# KiCad board hack_pad.kicad_pcb (continued)
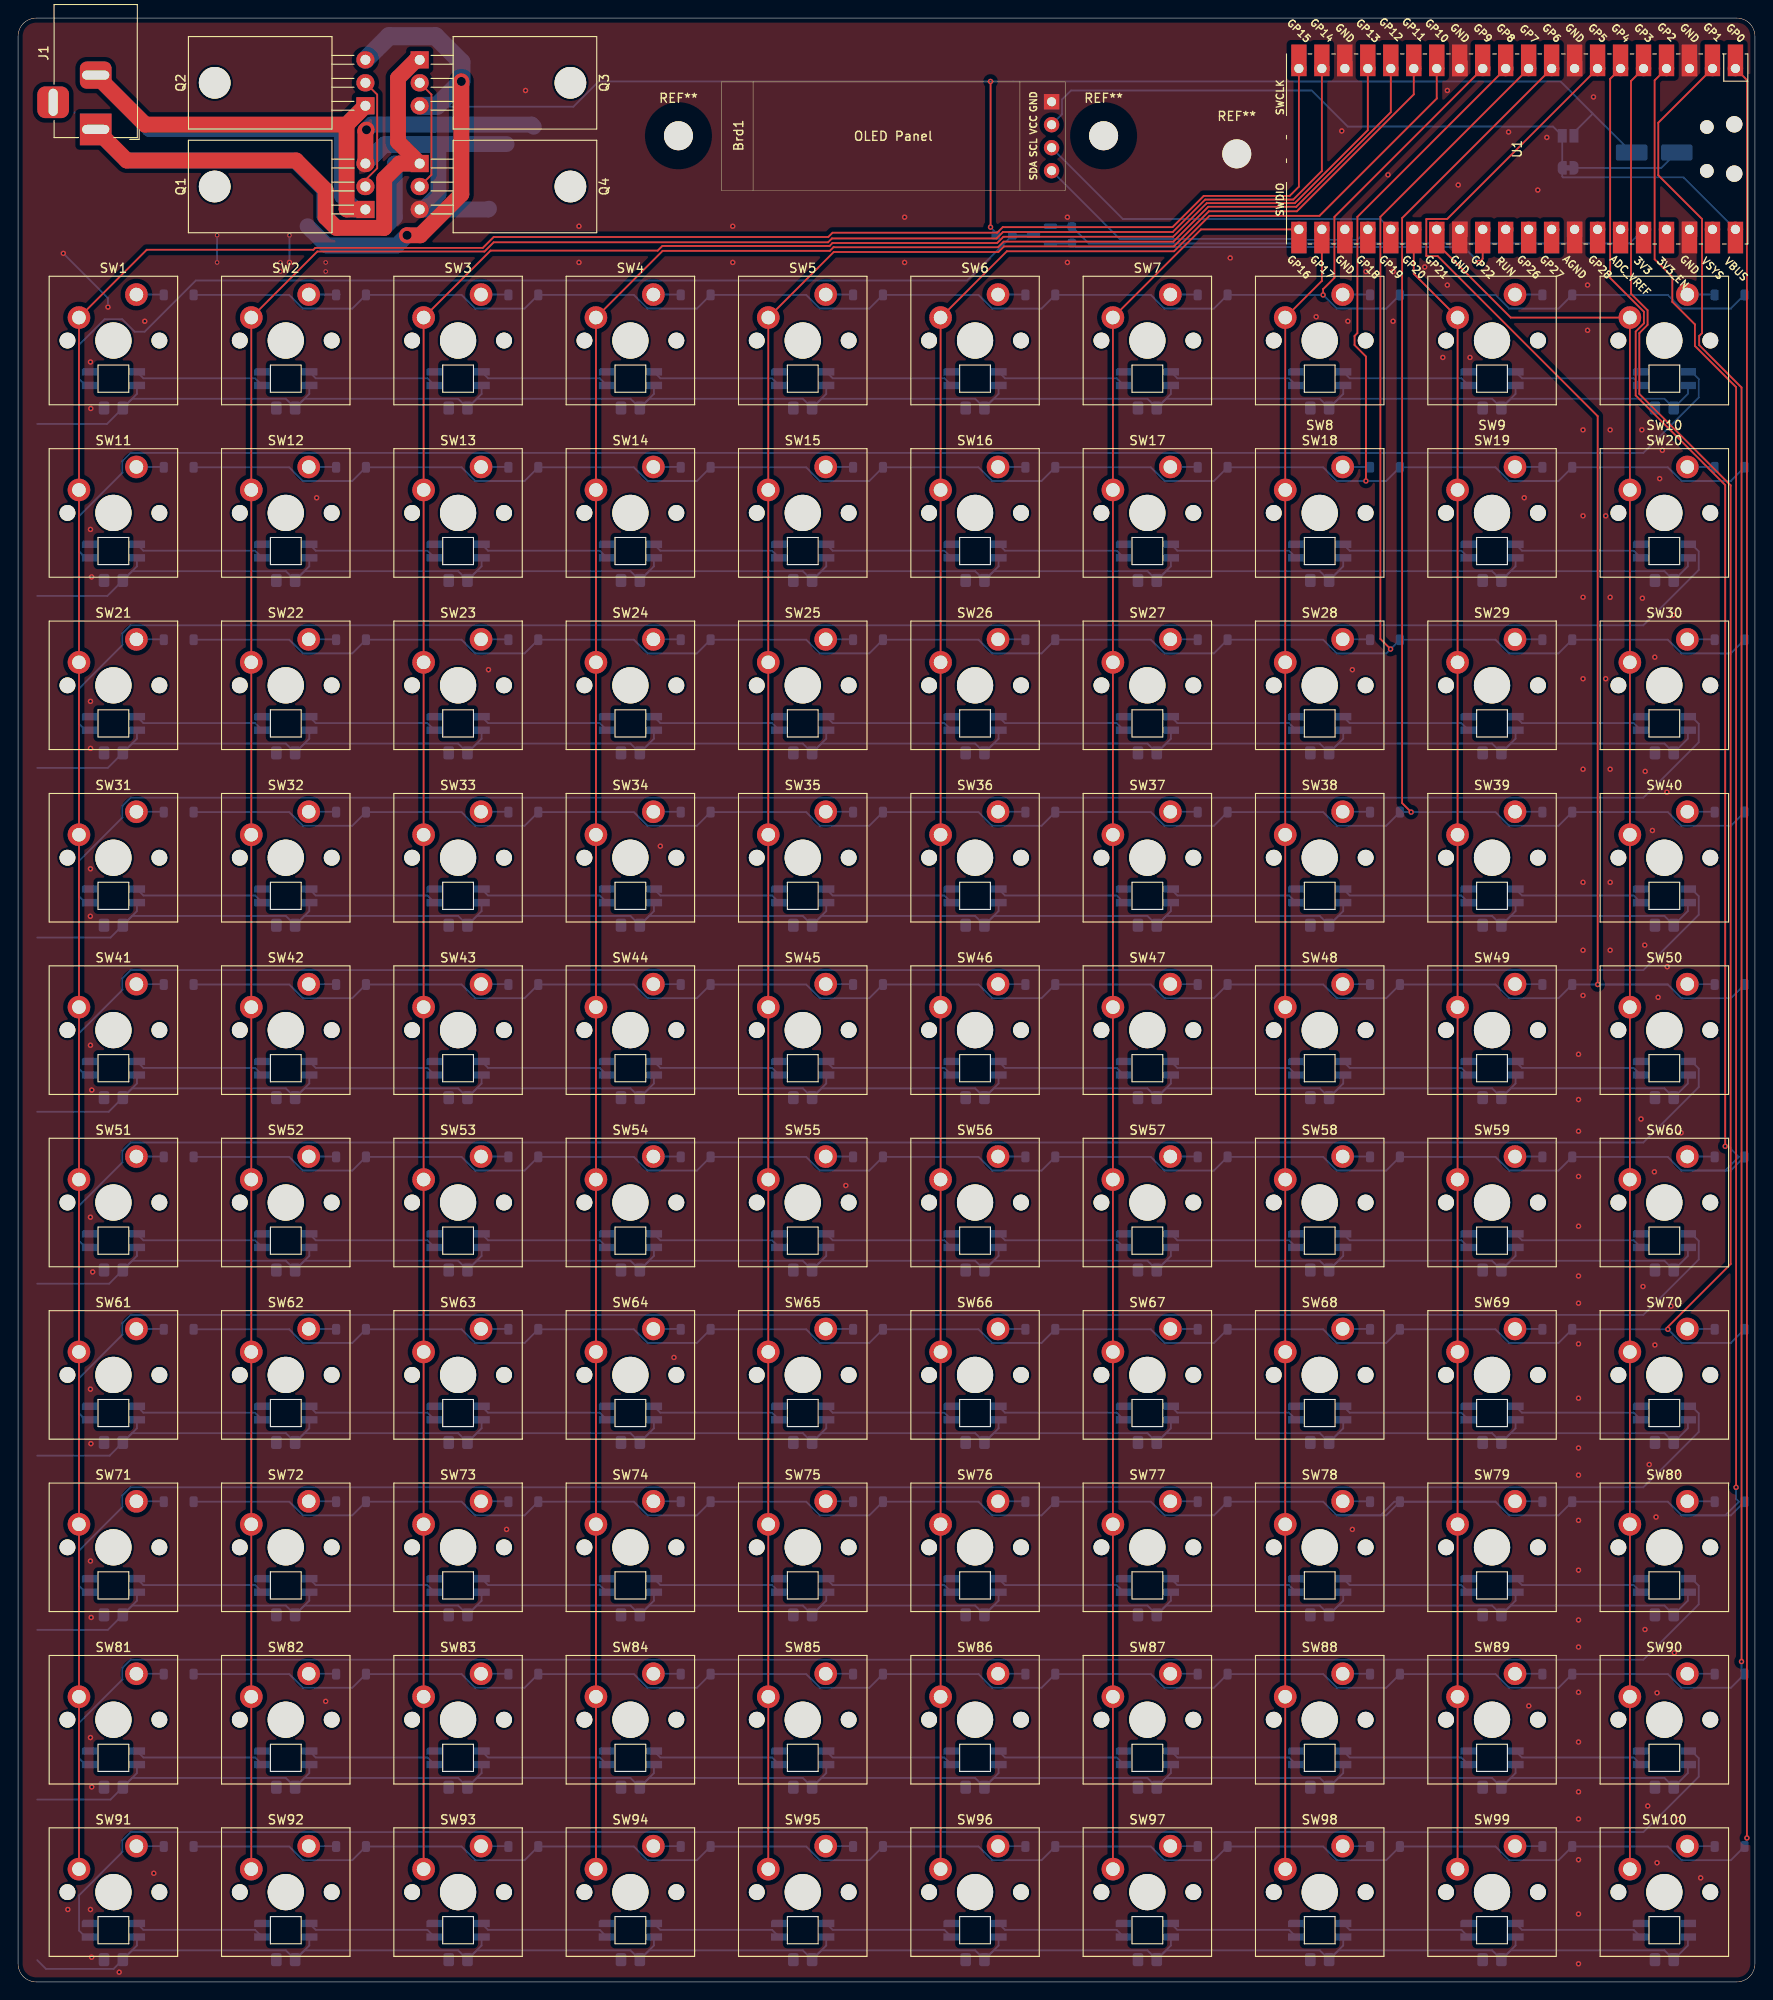
[diagram p0: board, top side]
## Routing (per net, layer and track width the routed paths; a pad name or vN(x,y) marks a point on that pad's centre or on a via; arc(x,y) is an arc through that point) (continued)
LED_HV: length 117
  Bottom w0.2: D101.3 7.45,176.41 6.74,177.12 6.74,180.89 9.57,183.72 11.51,183.72 12.89,182.34 13.99,182.34 19.64,188 104.91,188 R2.2 112.2,193 Q5.3
LED_LV: length 52.1
  Top w0.2: U1.29 161.91,190.41 v1(161.5,190)
  Bottom w0.2: v1(161.5,190) 159.8,191.7 116.94,191.7 R1.2 116.46,192.1 Q5.2
LV: length 67
  Bottom w0.2: Q5.1 116.46,194 R1.1 118.36,192.1 178.14,192.1 U1.36
ROW_1: length 215
  Top w0.2: U1.12 145.52,195.04 145.52,188.3 144.26,187.05 v1(144.26,186.41)
  Bottom w0.2: D1.1 29.98,186.41 31.49,184.9 36.94,184.9 D2.1 49.03,186.41 50.54,184.9 55.99,184.9 D3.1 68.08,186.41 69.59,184.9 75.04,184.9 D4.1 87.13,186.41 88.64,184.9 94.09,184.9 D5.1 106.18,186.41 107.69,184.9 113.14,184.9 D6.1 125.23,186.41 126.74,184.9 132.19,184.9 D7.1 144.28,186.41 145.79,184.9 151.24,184.9 D8.1 163.33,186.41 164.84,184.9 170.29,184.9 D9.1 182.38,186.41 183.89,184.9 189.34,184.9 D10.1
ROW_2: length 235.7
  Top w0.2: U1.11 148.06,195.04 148.06,182.19 147.74,181.88 147.74,180.86 149,179.61 v1(149,165.85)
  Bottom w0.2: D11.1 29.98,167.36 31.49,165.85 36.94,165.85 D12.1 49.03,167.36 50.54,165.85 55.99,165.85 D13.1 68.08,167.36 69.59,165.85 75.04,165.85 D14.1 87.13,167.36 88.64,165.85 94.09,165.85 D15.1 106.18,167.36 107.69,165.85 113.14,165.85 D16.1 125.23,167.36 126.74,165.85 132.19,165.85 D17.1 144.28,167.36 145.79,165.85 v1(149,165.85) 151.24,165.85 D18.1 163.33,167.36 164.84,165.85 170.29,165.85 D19.1 182.38,167.36 183.89,165.85 189.34,165.85 D20.1
ROW_3: length 254.1
  Top w0.2: U1.10 150.6,195.04 150.6,148.4 v1(151.72,147.28)
  Bottom w0.2: D30.1 189.34,146.8 183.89,146.8 182.38,148.31 D29.1 170.29,146.8 164.84,146.8 163.33,148.31 D28.1 v1(151.72,147.28) 151.24,146.8 145.79,146.8 144.28,148.31 D27.1 132.19,146.8 126.74,146.8 125.23,148.31 D26.1 113.14,146.8 107.69,146.8 106.18,148.31 D25.1 94.09,146.8 88.64,146.8 87.13,148.31 D24.1 75.04,146.8 69.59,146.8 68.08,148.31 D23.1 55.99,146.8 50.54,146.8 49.03,148.31 D22.1 36.94,146.8 31.49,146.8 29.98,148.31 D21.1
ROW_4: length 272.1
  Top w0.2: v1(154,129.26) 153,130.26 153,194.9 U1.9
  Bottom w0.2: D31.1 29.98,129.26 31.49,127.75 36.94,127.75 D32.1 49.03,129.26 50.54,127.75 55.99,127.75 D33.1 68.08,129.26 69.59,127.75 75.04,127.75 D34.1 87.13,129.26 88.64,127.75 94.09,127.75 D35.1 106.18,129.26 107.69,127.75 113.14,127.75 D36.1 125.23,129.26 126.74,127.75 132.19,127.75 D37.1 144.28,129.26 145.79,127.75 151.24,127.75 D38.1 v1(154,129.26) 163.33,129.26 164.84,127.75 170.29,127.75 D39.1 182.38,129.26 183.89,127.75 189.34,127.75 D40.1
ROW_5: length 309.5
  Top w0.2: v1(174.62,110.21) 174.62,173.02 156.94,190.7 155.68,190.7 155.68,194.8 157.98,194.8 U1.7
  Bottom w0.2: D50.1 189.34,108.7 183.89,108.7 182.38,110.21 ; v1(174.62,110.21) 182.38,110.21 ; 182.38,110.21 D49.1 170.29,108.7 164.84,108.7 163.33,110.21 D48.1 151.24,108.7 145.79,108.7 144.28,110.21 D47.1 132.19,108.7 126.74,108.7 125.23,110.21 D46.1 113.14,108.7 107.69,108.7 106.18,110.21 D45.1 94.09,108.7 88.64,108.7 87.13,110.21 D44.1 75.04,108.7 69.59,108.7 68.08,110.21 D43.1 55.99,108.7 50.54,108.7 49.03,110.21 D42.1 36.94,108.7 31.49,108.7 29.98,110.21 D41.1
ROW_6: length 317.3
  Top w0.2: v1(188.72,92.33) 188.72,165.41 178.82,175.3 178.82,182.36 179.73,183.27 179.73,184.55 176,188.29 176,210.28 U1.6
  Bottom w0.2: v1(188.72,92.33) 189.06,92.33 190.23,91.16 188.72,89.65 183.89,89.65 ; 183.89,89.65 182.38,91.16 D59.1 170.29,89.65 164.84,89.65 163.33,91.16 D58.1 151.24,89.65 145.79,89.65 144.28,91.16 D57.1 132.19,89.65 126.74,89.65 125.23,91.16 D56.1 113.14,89.65 107.69,89.65 106.18,91.16 D55.1 94.09,89.65 88.64,89.65 87.13,91.16 D54.1 75.04,89.65 69.59,89.65 68.08,91.16 D53.1 55.99,89.65 50.54,89.65 49.03,91.16 D52.1 36.94,89.65 31.49,89.65 29.98,91.16 D51.1 ; 183.89,89.65 189.34,89.65 D60.1
ROW_7: length 330.8
  Top w0.2: U1.5 178.3,210.04 178.3,186.55 180.13,184.72 180.13,183.1 179.22,182.19 179.22,175.47 189.32,165.37 189.32,79.32 182.38,72.38 v1(182.38,72.11)
  Bottom w0.2: D61.1 29.98,72.11 31.49,70.6 36.94,70.6 D62.1 49.03,72.11 50.54,70.6 55.99,70.6 D63.1 68.08,72.11 69.59,70.6 75.04,70.6 D64.1 87.13,72.11 88.64,70.6 94.09,70.6 D65.1 106.18,72.11 107.69,70.6 113.14,70.6 D66.1 125.23,72.11 126.74,70.6 132.19,70.6 D67.1 144.28,72.11 145.79,70.6 151.24,70.6 D68.1 163.33,72.11 164.84,70.6 170.29,70.6 D69.1 v1(182.38,72.11) 183.89,70.6 189.34,70.6 D70.1
ROW_8: length 370.6
  Top w0.2: v1(189.92,54.65) 189.92,176.22 185.37,180.77 185.37,183.15 182.87,185.65 182.87,188.4 180.92,190.35 180.92,210.12 U1.4
  Bottom w0.2: 163.33,53.06 D78.1 151.24,51.55 145.79,51.55 ; 163.33,53.06 152.13,53.06 150.62,51.55 145.79,51.55 ; 163.33,53.06 164.84,51.55 170.29,51.55 D79.1 182.38,53.06 183.89,51.55 ; D71.1 29.98,53.06 31.49,51.55 36.94,51.55 D72.1 49.03,53.06 50.54,51.55 55.99,51.55 D73.1 68.08,53.06 69.59,51.55 75.04,51.55 D74.1 87.13,53.06 88.64,51.55 94.09,51.55 D75.1 106.18,53.06 107.69,51.55 113.14,51.55 D76.1 125.23,53.06 126.74,51.55 132.19,51.55 D77.1 144.28,53.06 145.79,51.55 ; v1(189.92,54.65) 189.92,53.37 190.23,53.06 188.72,51.55 183.89,51.55 ; 183.89,51.55 189.34,51.55 D80.1
ROW_9: length 366.8
  Top w0.2: v1(190.52,35.4) 190.52,176.19 185.84,180.86 185.84,181.88 186.16,182.19 186.16,194.8 181.32,199.64 181.32,205.44 U1.2
  Bottom w0.2: D81.1 29.98,34.01 31.49,32.5 36.94,32.5 D82.1 49.03,34.01 50.54,32.5 55.99,32.5 D83.1 68.08,34.01 69.59,32.5 75.04,32.5 D84.1 87.13,34.01 88.64,32.5 94.09,32.5 D85.1 106.18,34.01 107.69,32.5 113.14,32.5 D86.1 125.23,34.01 126.74,32.5 132.19,32.5 D87.1 144.28,34.01 145.79,32.5 151.24,32.5 D88.1 163.33,34.01 164.84,32.5 170.29,32.5 D89.1 182.38,34.01 183.89,32.5 189.34,32.5 D90.1 190.52,34.35 v1(190.52,35.4)
ROW_10: length 379.8
  Top w0.2: U1.1 191.12,210.16 v1(191.12,15.9)
  Bottom w0.2: v1(191.12,15.9) 191.12,15.23 D100.1 189.34,13.45 183.89,13.45 182.38,14.96 D99.1 170.29,13.45 164.84,13.45 163.33,14.96 D98.1 151.24,13.45 145.79,13.45 144.28,14.96 D97.1 132.19,13.45 126.74,13.45 125.23,14.96 D96.1 113.14,13.45 107.69,13.45 106.18,14.96 D95.1 94.09,13.45 88.64,13.45 87.13,14.96 D94.1 75.04,13.45 69.59,13.45 68.08,14.96 D93.1 55.99,13.45 50.54,13.45 49.03,14.96 D92.1 36.94,13.45 31.49,13.45 29.98,14.96 D91.1
SCL1: length 41.2
  Bottom w0.2: U1.25 150.6,194.8 122.13,194.8 Brd1.3
SDA1: length 38.6
  Bottom w0.2: Brd1.4 121.79,192.6 141.01,192.6 141.11,192.5 148.06,192.5 U1.24
Net-(Brd1-VCC): length 87.1
  Bottom w0.2: U1.40 184.1,199.4 170.8,199.4 170.7,199.5 JP1.1 JP2.1 169.69,205.01 146.99,205.01 143,209 116.4,209 115.4,208 115.4,206.37 Brd1.2
Net-(D1-A): length 3
  Bottom w0.2: D1.2 16.06,186.45 SW1.2
Net-(D2-A): length 6
  Bottom w0.2: SW2.2 35.11,186.45 ; 32.58,186.45 35.56,186.45
Net-(D3-A): length 3
  Bottom w0.2: SW3.2 54.16,186.45
Net-(D4-A): length 3
  Bottom w0.2: SW4.2 73.21,186.45
Net-(D5-A): length 3
  Bottom w0.2: SW5.2 92.26,186.45
Net-(D6-A): length 3
  Bottom w0.2: SW6.2 111.31,186.45
Net-(D7-A): length 3
  Bottom w0.2: SW7.2 130.36,186.45
Net-(D8-A): length 3
  Bottom w0.2: SW8.2 149.41,186.45
Net-(D9-A): length 3
  Bottom w0.2: SW9.2 168.46,186.45
Net-(D10-A): length 3
  Bottom w0.2: SW10.2 187.51,186.45
Net-(D11-A): length 3
  Bottom w0.2: SW11.2 16.06,167.4
Net-(D12-A): length 3
  Bottom w0.2: SW12.2 35.11,167.4
Net-(D13-A): length 3
  Bottom w0.2: SW13.2 54.16,167.4
Net-(D14-A): length 3
  Bottom w0.2: SW14.2 73.21,167.4
Net-(D15-A): length 3
  Bottom w0.2: SW15.2 92.26,167.4
Net-(D16-A): length 3
  Bottom w0.2: SW16.2 111.31,167.4
Net-(D17-A): length 3
  Bottom w0.2: SW17.2 130.36,167.4
Net-(D18-A): length 3
  Bottom w0.2: SW18.2 149.41,167.4
Net-(D19-A): length 3
  Bottom w0.2: SW19.2 168.46,167.4
Net-(D20-A): length 3
  Bottom w0.2: SW20.2 187.51,167.4
Net-(D21-A): length 3
  Bottom w0.2: SW21.2 16.06,148.35
Net-(D22-A): length 3
  Bottom w0.2: SW22.2 35.11,148.35
Net-(D23-A): length 3
  Bottom w0.2: SW23.2 54.16,148.35
Net-(D24-A): length 3
  Bottom w0.2: SW24.2 73.21,148.35
Net-(D25-A): length 3
  Bottom w0.2: SW25.2 92.26,148.35
Net-(D26-A): length 3
  Bottom w0.2: SW26.2 111.31,148.35
Net-(D27-A): length 3
  Bottom w0.2: SW27.2 130.36,148.35
Net-(D28-A): length 3
  Bottom w0.2: SW28.2 149.41,148.35
Net-(D29-A): length 3
  Bottom w0.2: SW29.2 168.46,148.35
Net-(D30-A): length 3
  Bottom w0.2: SW30.2 187.51,148.35
Net-(D31-A): length 3
  Bottom w0.2: 13.08,129.3 16.06,129.3
Net-(D32-A): length 3
  Bottom w0.2: 32.13,129.3 35.11,129.3
Net-(D33-A): length 3
  Bottom w0.2: 51.18,129.3 54.16,129.3
Net-(D34-A): length 3
  Bottom w0.2: 70.23,129.3 73.21,129.3
Net-(D35-A): length 3
  Bottom w0.2: 89.28,129.3 92.26,129.3
Net-(D36-A): length 3
  Bottom w0.2: 108.33,129.3 111.31,129.3
Net-(D37-A): length 3
  Bottom w0.2: 127.38,129.3 130.36,129.3
Net-(D38-A): length 3
  Bottom w0.2: 146.43,129.3 149.41,129.3
Net-(D39-A): length 3
  Bottom w0.2: 165.48,129.3 168.46,129.3
Net-(D40-A): length 3
  Bottom w0.2: 184.53,129.3 187.51,129.3
Net-(D41-A): length 3
  Bottom w0.2: SW41.2 16.06,110.25
Net-(D42-A): length 3
  Bottom w0.2: SW42.2 35.11,110.25
Net-(D43-A): length 3
  Bottom w0.2: SW43.2 54.16,110.25
Net-(D44-A): length 3
  Bottom w0.2: SW44.2 73.21,110.25
Net-(D45-A): length 3
  Bottom w0.2: SW45.2 92.26,110.25
Net-(D46-A): length 3
  Bottom w0.2: SW46.2 111.31,110.25
Net-(D47-A): length 3
  Bottom w0.2: SW47.2 130.36,110.25
Net-(D48-A): length 3
  Bottom w0.2: SW48.2 149.41,110.25
Net-(D49-A): length 3
  Bottom w0.2: SW49.2 168.46,110.25
Net-(D50-A): length 3
  Bottom w0.2: SW50.2 187.51,110.25
Net-(D51-A): length 3
  Bottom w0.2: 13.08,91.2 16.06,91.2
Net-(D52-A): length 3
  Bottom w0.2: 32.13,91.2 35.11,91.2
Net-(D53-A): length 3
  Bottom w0.2: 51.18,91.2 54.16,91.2
Net-(D54-A): length 3
  Bottom w0.2: 70.23,91.2 73.21,91.2
Net-(D55-A): length 3
  Bottom w0.2: 89.28,91.2 92.26,91.2
Net-(D56-A): length 3
  Bottom w0.2: 108.33,91.2 111.31,91.2
Net-(D57-A): length 3
  Bottom w0.2: 127.38,91.2 130.36,91.2
Net-(D58-A): length 3
  Bottom w0.2: 146.43,91.2 149.41,91.2
Net-(D59-A): length 3
  Bottom w0.2: 165.48,91.2 168.46,91.2
Net-(D60-A): length 3
  Bottom w0.2: 184.53,91.2 187.51,91.2
Net-(D61-A): length 3
  Bottom w0.2: SW61.2 16.06,72.15
Net-(D62-A): length 3
  Bottom w0.2: SW62.2 35.11,72.15
Net-(D63-A): length 3
  Bottom w0.2: SW63.2 54.16,72.15
Net-(D64-A): length 3
  Bottom w0.2: SW64.2 73.21,72.15
Net-(D65-A): length 3
  Bottom w0.2: SW65.2 92.26,72.15
Net-(D66-A): length 3
  Bottom w0.2: SW66.2 111.31,72.15
Net-(D67-A): length 3
  Bottom w0.2: SW67.2 130.36,72.15
Net-(D68-A): length 3
  Bottom w0.2: SW68.2 149.41,72.15
Net-(D69-A): length 3
  Bottom w0.2: SW69.2 168.46,72.15
Net-(D70-A): length 3
  Bottom w0.2: SW70.2 187.51,72.15
Net-(D71-A): length 3
  Bottom w0.2: SW71.2 16.06,53.1
Net-(D72-A): length 3
  Bottom w0.2: SW72.2 35.11,53.1
Net-(D73-A): length 3
  Bottom w0.2: SW73.2 54.16,53.1
Net-(D74-A): length 3
  Bottom w0.2: SW74.2 73.21,53.1
Net-(D75-A): length 3
  Bottom w0.2: SW75.2 92.26,53.1
Net-(D76-A): length 3
  Bottom w0.2: SW76.2 111.31,53.1
Net-(D77-A): length 3
  Bottom w0.2: SW77.2 130.36,53.1
Net-(D78-A): length 3
  Bottom w0.2: SW78.2 149.41,53.1
Net-(D79-A): length 3
  Bottom w0.2: SW79.2 168.46,53.1
Net-(D80-A): length 3
  Bottom w0.2: SW80.2 187.51,53.1
Net-(D81-A): length 3
  Bottom w0.2: SW81.2 16.06,34.05
Net-(D82-A): length 3
  Bottom w0.2: SW82.2 35.11,34.05
Net-(D83-A): length 3
  Bottom w0.2: SW83.2 54.16,34.05
Net-(D84-A): length 3
  Bottom w0.2: SW84.2 73.21,34.05
Net-(D85-A): length 3
  Bottom w0.2: SW85.2 92.26,34.05
Net-(D86-A): length 3
  Bottom w0.2: SW86.2 111.31,34.05
Net-(D87-A): length 3
  Bottom w0.2: SW87.2 130.36,34.05
Net-(D88-A): length 3
  Bottom w0.2: SW88.2 149.41,34.05
Net-(D89-A): length 3
  Bottom w0.2: SW89.2 168.46,34.05
Net-(D90-A): length 3
  Bottom w0.2: SW90.2 187.51,34.05
Net-(D91-A): length 3
  Bottom w0.2: SW91.2 16.06,15
Net-(D92-A): length 3
  Bottom w0.2: SW92.2 35.11,15
Net-(D93-A): length 3
  Bottom w0.2: SW93.2 54.16,15
Net-(D94-A): length 3
  Bottom w0.2: SW94.2 73.21,15
Net-(D95-A): length 3
  Bottom w0.2: SW95.2 92.26,15
Net-(D96-A): length 3
  Bottom w0.2: SW96.2 111.31,15
Net-(D97-A): length 3
  Bottom w0.2: SW97.2 130.36,15
Net-(D98-A): length 3
  Bottom w0.2: SW98.2 149.41,15
Net-(D99-A): length 3
  Bottom w0.2: SW99.2 168.46,15
Net-(D100-A): length 3
  Bottom w0.2: SW100.2 187.51,15
Net-(D101-DOUT): length 14.5
  Bottom w0.2: D102.3 26.2,177.2 13.85,177.2 D101.1
Net-(D102-DOUT): length 14.5
  Bottom w0.2: D103.3 45.25,177.2 32.9,177.2 D102.1
Net-(D103-DOUT): length 14.5
  Bottom w0.2: D103.1 51.95,177.2 64.3,177.2 D104.3
Net-(D104-DOUT): length 14.5
  Bottom w0.2: D105.3 83.35,177.2 71,177.2 D104.1
Net-(D105-DOUT): length 14.5
  Bottom w0.2: D105.1 90.05,177.2 102.4,177.2 D106.3
Net-(D106-DOUT): length 14.5
  Bottom w0.2: D106.1 109.1,177.2 121.45,177.2 D107.3
Net-(D107-DOUT): length 14.5
  Bottom w0.2: 141.29,176.41 140.5,177.2 128.15,177.2 D107.1
Net-(D108-DOUT): length 14.5
  Bottom w0.2: D109.3 159.55,177.2 147.2,177.2 D108.1
Net-(D109-DOUT): length 14.5
  Bottom w0.2: D109.1 166.25,177.2 178.6,177.2 D110.3
Net-(D110-DOUT): length 194.2
  Bottom w0.2: D110.1 185,177.91 185.79,177.12 185.79,175.08 179.67,168.95 12.44,168.95 11.53,168.04 11.53,166.76 6.74,161.97 6.74,158.07 7.45,157.36 D111.3
Net-(D111-DOUT): length 14.5
  Bottom w0.2: D112.3 26.2,158.15 13.85,158.15 D111.1
Net-(D112-DOUT): length 14.5
  Bottom w0.2: D112.1 32.9,158.15 45.25,158.15 D113.3
Net-(D113-DOUT): length 14.5
  Bottom w0.2: D113.1 51.95,158.15 64.3,158.15 D114.3
Net-(D114-DOUT): length 14.5
  Bottom w0.2: D115.3 83.35,158.15 71,158.15 D114.1
Net-(D115-DOUT): length 14.5
  Bottom w0.2: D116.3 102.4,158.15 90.05,158.15 D115.1
Net-(D116-DOUT): length 14.5
  Bottom w0.2: D117.3 121.45,158.15 109.1,158.15 D116.1
Net-(D117-DOUT): length 14.5
  Bottom w0.2: 141.29,157.36 140.5,158.15 128.15,158.15 D117.1
Net-(D118-DOUT): length 14.5
  Bottom w0.2: D119.3 159.55,158.15 147.2,158.15 D118.1
Net-(D119-DOUT): length 14.5
  Bottom w0.2: D119.1 166.25,158.15 178.6,158.15 D120.3
Net-(D120-DOUT): length 194.2
  Bottom w0.2: D120.1 185,158.86 185.79,158.07 185.79,156.03 179.67,149.9 12.44,149.9 11.53,148.99 11.53,147.71 6.74,142.92 6.74,139.02 7.45,138.31 D121.3
Net-(D121-DOUT): length 14.5
  Bottom w0.2: D121.1 13.85,139.1 26.2,139.1 D122.3
Net-(D122-DOUT): length 14.5
  Bottom w0.2: D122.1 32.9,139.1 45.25,139.1 D123.3
Net-(D123-DOUT): length 14.5
  Bottom w0.2: D123.1 51.95,139.1 64.3,139.1 D124.3
Net-(D124-DOUT): length 14.5
  Bottom w0.2: D124.1 71,139.1 83.35,139.1 D125.3
Net-(D125-DOUT): length 14.5
  Bottom w0.2: D125.1 90.05,139.1 102.4,139.1 D126.3
Net-(D126-DOUT): length 14.5
  Bottom w0.2: D127.3 121.45,139.1 109.1,139.1 D126.1
Net-(D127-DOUT): length 14.5
  Bottom w0.2: 141.29,138.31 140.5,139.1 128.15,139.1 D127.1
Net-(D128-DOUT): length 14.5
  Bottom w0.2: D129.3 159.55,139.1 147.2,139.1 D128.1
Net-(D129-DOUT): length 14.5
  Bottom w0.2: D129.1 166.25,139.1 178.6,139.1 D130.3
Net-(D130-DOUT): length 194.2
  Bottom w0.2: D130.1 185,139.81 185.79,139.02 185.79,136.98 179.67,130.85 12.44,130.85 11.53,129.94 11.53,128.66 6.74,123.87 6.74,119.97 7.45,119.26 D131.3
Net-(D131-DOUT): length 14.5
  Bottom w0.2: D132.3 26.2,120.05 13.85,120.05 D131.1
Net-(D132-DOUT): length 14.5
  Bottom w0.2: D132.1 32.9,120.05 45.25,120.05 D133.3
Net-(D133-DOUT): length 14.5
  Bottom w0.2: D133.1 51.95,120.05 64.3,120.05 D134.3
Net-(D134-DOUT): length 14.5
  Bottom w0.2: D135.3 83.35,120.05 71,120.05 D134.1
Net-(D135-DOUT): length 14.5
  Bottom w0.2: D136.3 102.4,120.05 90.05,120.05 D135.1
Net-(D136-DOUT): length 14.5
  Bottom w0.2: D136.1 109.1,120.05 121.45,120.05 D137.3
Net-(D137-DOUT): length 14.5
  Bottom w0.2: D137.1 128.15,120.05 140.5,120.05 141.29,119.26
Net-(D138-DOUT): length 14.5
  Bottom w0.2: D139.3 159.55,120.05 147.2,120.05 D138.1
Net-(D139-DOUT): length 14.5
  Bottom w0.2: D140.3 178.6,120.05 166.25,120.05 D139.1
Net-(D140-DOUT): length 194.2
  Bottom w0.2: D141.3 7.45,100.21 6.74,100.92 6.74,104.82 11.53,109.61 11.53,110.89 12.44,111.8 179.67,111.8 185.79,117.93 185.79,119.97 185,120.76 D140.1
Net-(D141-DOUT): length 14.5
  Bottom w0.2: D142.3 26.2,101 13.85,101 D141.1
Net-(D142-DOUT): length 14.5
  Bottom w0.2: D142.1 32.9,101 45.25,101 D143.3
Net-(D143-DOUT): length 14.5
  Bottom w0.2: D144.3 64.3,101 51.95,101 D143.1
Net-(D144-DOUT): length 14.5
  Bottom w0.2: D144.1 71,101 83.35,101 D145.3
Net-(D145-DOUT): length 14.5
  Bottom w0.2: D145.1 90.05,101 102.4,101 D146.3
Net-(D146-DOUT): length 14.5
  Bottom w0.2: D146.1 109.1,101 121.45,101 D147.3
Net-(D147-DOUT): length 14.5
  Bottom w0.2: 141.29,100.21 140.5,101 128.15,101 D147.1
Net-(D148-DOUT): length 14.5
  Bottom w0.2: D148.1 147.2,101 159.55,101 D149.3
Net-(D149-DOUT): length 14.5
  Bottom w0.2: D150.3 178.6,101 166.25,101 D149.1
Net-(D150-DOUT): length 194.2
  Bottom w0.2: D151.3 7.45,81.16 6.74,81.87 6.74,85.77 11.53,90.56 11.53,91.84 12.44,92.75 179.67,92.75 185.79,98.88 185.79,100.92 185,101.71 D150.1
Net-(D151-DOUT): length 14.5
  Bottom w0.2: D151.1 13.85,81.95 26.2,81.95 D152.3
Net-(D152-DOUT): length 14.5
  Bottom w0.2: D152.1 32.9,81.95 45.25,81.95 D153.3
Net-(D153-DOUT): length 14.5
  Bottom w0.2: D153.1 51.95,81.95 64.3,81.95 D154.3
Net-(D154-DOUT): length 14.5
  Bottom w0.2: D154.1 71,81.95 83.35,81.95 D155.3
Net-(D155-DOUT): length 14.5
  Bottom w0.2: D155.1 90.05,81.95 102.4,81.95 D156.3
Net-(D156-DOUT): length 14.5
  Bottom w0.2: D156.1 109.1,81.95 121.45,81.95 D157.3
Net-(D157-DOUT): length 14.5
  Bottom w0.2: D157.1 128.15,81.95 140.5,81.95 141.29,81.16
Net-(D158-DOUT): length 14.5
  Bottom w0.2: D158.1 147.2,81.95 159.55,81.95 D159.3
Net-(D159-DOUT): length 14.5
  Bottom w0.2: D160.3 178.6,81.95 166.25,81.95 D159.1
Net-(D160-DOUT): length 194.2
  Bottom w0.2: D160.1 185,82.66 185.79,81.87 185.79,79.83 179.67,73.7 12.44,73.7 11.53,72.79 11.53,71.51 6.74,66.72 6.74,62.82 7.45,62.11 D161.3
Net-(D161-DOUT): length 14.5
  Bottom w0.2: D162.3 26.2,62.9 13.85,62.9 D161.1
Net-(D162-DOUT): length 14.5
  Bottom w0.2: D163.3 45.25,62.9 32.9,62.9 D162.1
Net-(D163-DOUT): length 14.5
  Bottom w0.2: D164.3 64.3,62.9 51.95,62.9 D163.1
Net-(D164-DOUT): length 14.5
  Bottom w0.2: D164.1 71,62.9 83.35,62.9 D165.3
Net-(D165-DOUT): length 14.5
  Bottom w0.2: D166.3 102.4,62.9 90.05,62.9 D165.1
Net-(D166-DOUT): length 14.5
  Bottom w0.2: D166.1 109.1,62.9 121.45,62.9 D167.3
Net-(D167-DOUT): length 14.5
  Bottom w0.2: 141.29,62.11 140.5,62.9 128.15,62.9 D167.1
Net-(D168-DOUT): length 14.5
  Bottom w0.2: D168.1 147.2,62.9 159.55,62.9 D169.3
Net-(D169-DOUT): length 14.5
  Bottom w0.2: D170.3 178.6,62.9 166.25,62.9 D169.1
Net-(D170-DOUT): length 194.2
  Bottom w0.2: D170.1 185,63.61 185.79,62.82 185.79,60.78 179.67,54.65 12.44,54.65 11.53,53.74 11.53,52.46 6.74,47.67 6.74,43.77 7.45,43.06 D171.3
Net-(D171-DOUT): length 14.5
  Bottom w0.2: D172.3 26.2,43.85 13.85,43.85 D171.1
Net-(D172-DOUT): length 14.5
  Bottom w0.2: D172.1 32.9,43.85 45.25,43.85 D173.3
Net-(D173-DOUT): length 14.5
  Bottom w0.2: D173.1 51.95,43.85 64.3,43.85 D174.3
Net-(D174-DOUT): length 14.5
  Bottom w0.2: D174.1 71,43.85 83.35,43.85 D175.3
Net-(D175-DOUT): length 14.5
  Bottom w0.2: D175.1 90.05,43.85 102.4,43.85 D176.3
Net-(D176-DOUT): length 14.5
  Bottom w0.2: D176.1 109.1,43.85 121.45,43.85 D177.3
Net-(D177-DOUT): length 14.5
  Bottom w0.2: D177.1 128.15,43.85 140.5,43.85 141.29,43.06
Net-(D178-DOUT): length 14.5
  Bottom w0.2: D178.1 147.2,43.85 159.55,43.85 D179.3
Net-(D179-DOUT): length 14.5
  Bottom w0.2: D180.3 178.6,43.85 166.25,43.85 D179.1
Net-(D180-DOUT): length 194.2
  Bottom w0.2: D180.1 185,44.56 185.79,43.77 185.79,41.73 179.67,35.6 12.44,35.6 11.53,34.69 11.53,33.41 6.74,28.62 6.74,24.72 7.45,24.01 D181.3
Net-(D181-DOUT): length 14.5
  Bottom w0.2: D182.3 26.2,24.8 13.85,24.8 D181.1
Net-(D182-DOUT): length 14.5
  Bottom w0.2: D183.3 45.25,24.8 32.9,24.8 D182.1
Net-(D183-DOUT): length 14.5
  Bottom w0.2: D184.3 64.3,24.8 51.95,24.8 D183.1
Net-(D184-DOUT): length 14.5
  Bottom w0.2: D185.3 83.35,24.8 71,24.8 D184.1
Net-(D185-DOUT): length 14.5
  Bottom w0.2: D186.3 102.4,24.8 90.05,24.8 D185.1
Net-(D186-DOUT): length 14.5
  Bottom w0.2: D187.3 121.45,24.8 109.1,24.8 D186.1
Net-(D187-DOUT): length 14.5
  Bottom w0.2: 141.29,24.01 140.5,24.8 128.15,24.8 D187.1
Net-(D188-DOUT): length 14.5
  Bottom w0.2: D188.1 147.2,24.8 159.55,24.8 D189.3
Net-(D189-DOUT): length 14.5
  Bottom w0.2: D190.3 178.6,24.8 166.25,24.8 D189.1
Net-(D190-DOUT): length 194.2
  Bottom w0.2: D190.1 185,25.51 185.79,24.72 185.79,22.68 179.67,16.55 12.44,16.55 11.53,15.64 11.53,14.36 6.74,9.57 6.74,5.67 7.45,4.96 D191.3
Net-(D191-DOUT): length 14.5
  Bottom w0.2: D191.1 13.85,5.75 26.2,5.75 D192.3
Net-(D192-DOUT): length 14.5
  Bottom w0.2: D192.1 32.9,5.75 45.25,5.75 D193.3
Net-(D193-DOUT): length 14.5
  Bottom w0.2: D194.3 64.3,5.75 51.95,5.75 D193.1
Net-(D194-DOUT): length 14.5
  Bottom w0.2: D195.3 83.35,5.75 71,5.75 D194.1
Net-(D195-DOUT): length 14.5
  Bottom w0.2: D196.3 102.4,5.75 90.05,5.75 D195.1
Net-(D196-DOUT): length 14.5
  Bottom w0.2: D197.3 121.45,5.75 109.1,5.75 D196.1
Net-(D197-DOUT): length 14.5
  Bottom w0.2: 141.29,4.96 140.5,5.75 128.15,5.75 D197.1
Net-(D198-DOUT): length 14.5
  Bottom w0.2: D199.3 159.55,5.75 147.2,5.75 D198.1
Net-(D199-DOUT): length 14.5
  Bottom w0.2: D200.3 178.6,5.75 166.25,5.75 D199.1
Net-(D205-K): length 12.1
  Bottom w0.2: D205.1 181.67,200.45 JP1.2
Net-(Q1-D): length 12.5
  Top w0.2: Q2.2 39.7,208.55 39.7,200.41 38.4,199.11 Q1.2
Net-(Q3-D): length 12.5
  Top w0.2: Q4.2 45.7,199.69 45.7,208.55 Q3.2

## Copper pours and planes (outline as drawn; the poured copper is in the pictures)
VBUS on Bottom: 47,217 47,191 7,191 7,0 0,0 0,217
Earth on Top: 0,217 192,217 192,0 0,0
Earth on Bottom: 47,217 47,191 7,191 7,0 192,0 192,217
